# Altium PCB 10-RGB彩灯模块-电路板图.PcbDoc
Units mm, origin at the board's own origin, x right, y up, seen from the top; angles counter-clockwise.
Board outline 70.71 x 35.35 mm, 2 copper layers (Top Layer, Bottom Layer); 22 components, 9 nets, 83 pads, 9 vias.
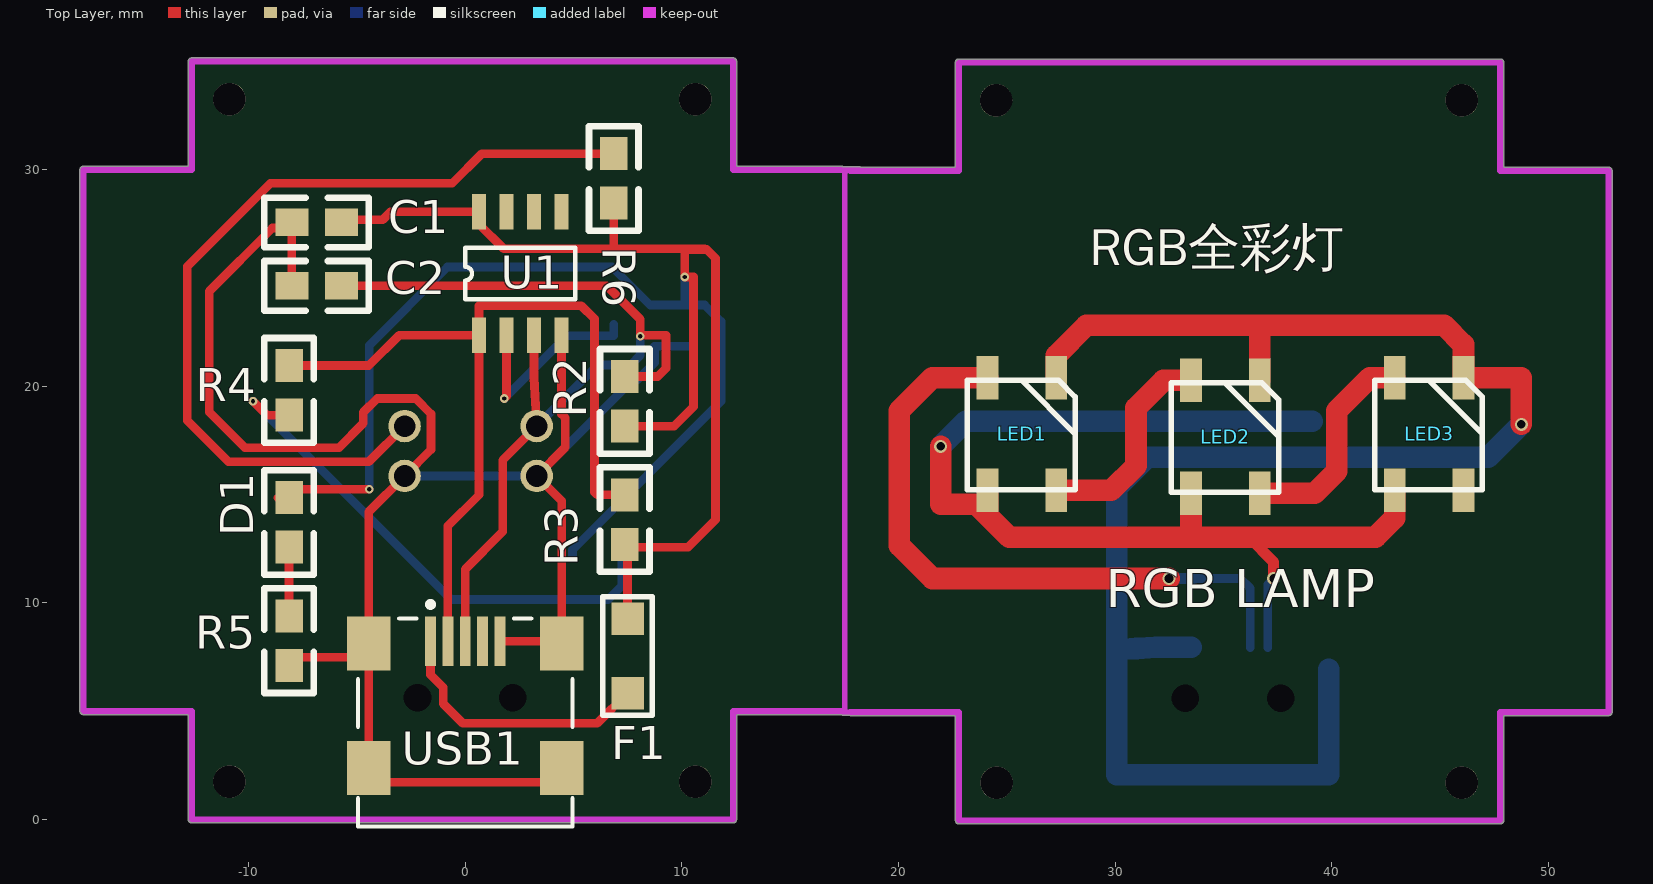
[diagram p0: Top Layer view]
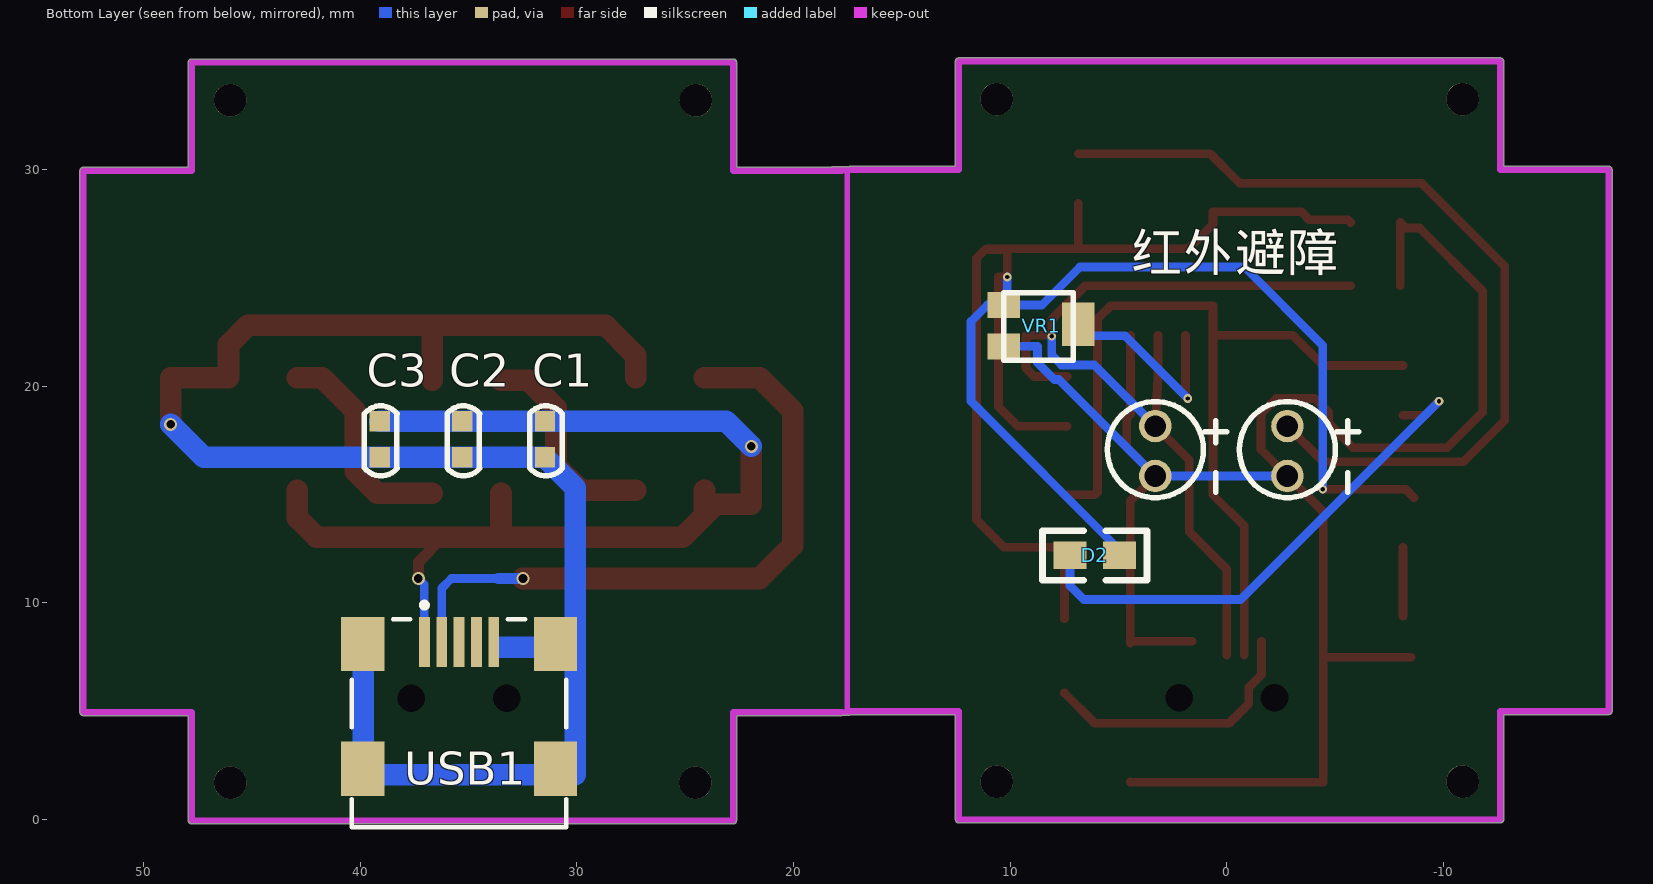
[diagram p1: Bottom Layer view, seen from below]

## Layer stack, top to bottom
Top Layer: signal copper 0.0356
Dielectric: dielectric 0.32, FR-4, Dk 4.8
Bottom Layer: signal copper 0.0356

## Board outline
-12.777,0 ccw(c-12.627,0) -12.627,-0.15 12.373,-0.15 ccw(c12.373,0) 12.523,0 12.523,4.85 17.346,4.85 ccw(c17.42,4.953) 17.42,4.826 17.7,4.826 ccw(c17.78,4.953) 17.78,4.803 22.63,4.803 22.63,-0.047 ccw(c22.78,-0.047) 22.78,-0.197 47.78,-0.197 ccw(c47.78,-0.047) 47.93,-0.047 47.93,4.803 52.78,4.803 ccw(c52.78,4.953) 52.93,4.953 52.93,29.953 ccw(c52.78,29.953) 52.78,30.103 47.93,30.103 47.93,34.953 ccw(c47.78,34.953) 47.78,35.103 22.78,35.103 ccw(c22.78,34.953) 22.63,34.953 22.63,30.103 18.263,30.103 ccw(c18.189,30) 18.189,30.127 17.453,30.127 ccw(c17.373,30) 17.373,30.15 12.523,30.15 12.523,35 ccw(c12.373,35) 12.373,35.15 -12.627,35.15 ccw(c-12.627,35) -12.777,35 -12.777,30.15 -17.627,30.15 ccw(c-17.627,30) -17.777,30 -17.777,5 ccw(c-17.627,5) -17.627,4.85 -12.777,4.85

## Design rules (kind name [scope] priority, off if disabled: settings)
Clearance [All] p1: gap=0.254
PolygonConnect [All] p1: connectstyle=Relief reliefconductorwidth=0.254 reliefentries=4 polygonreliefangle="90 Angle"
RoutingVias [All] p1: holewidth=0.2 width=0.4 viastyle="Through Hole" minholewidth=0.2 minwidth=0.4 maxholewidth=0.2 maxwidth=0.4
SilkscreenOverComponentPads [IsPad] p1: minsilkscreentomaskgap=0.254
SolderMaskExpansion [All] p1: expansion=0.102
TestPointUsage FabricationTestPointUsage [All] p1: valid=0 allowmultiple=FALSE
Testpoint FabricationTestpoint [All] p1: side=3 testpointundercomponent=TRUE minsize=1.016 maxsize=2.54 preferedsize=1.524 minholesize=0 maxholesize=1.016 preferedholesize=0.813 testpointgrid=0.025 style=297 order=0-112345678
Width [All] p1: maxlimit=0.4 minlimit=0.4 preferedwidth=0.4
23 further rules are at their usual default settings.

## Classes and differential pairs
component class 原理图: C1 C2 D1 D2 F1 R2 R3 R4 R5 R6 U1 USB1 VR1 红外避障

## Components (designator, comment, footprint, x,y, rotation, side; value= is the part's Value field where it differs from the comment)
C1 "Cap Semi" 0805 -8.001,27.561 r0 top
C1 "Cap" 0603 31.47,16.717 r180 bottom
C2 "Cap Semi" 0805 -8.001,24.638 r0 top
C2 "Cap" 0603 35.28,16.717 r180 bottom
C3 "Cap" 0603 39.09,16.717 r180 bottom
D1 "LED0" 0805 -8.126,14.859 r270 top
D2 "LED0" 0805 4.953,12.192 r0 bottom
F1 "Fuse 1" Fuse 7.493,9.271 r270 top
LED1 "RGB WS2811" RGB 25.755,18.114 r270 top
LED2 "RGB WS2811" RGB 35.153,17.987 r270 top
LED3 "RGB WS2811" RGB 44.551,18.114 r270 top
R2 "Res2" 0805 7.366,20.447 r270 top
R3 "Res2" 0805 7.368,14.986 r270 top
R4 "Res2" 0805 -8.128,20.955 r270 top
R5 "Res2" 0805 -8.13,7.112 r90 top
R6 "Res2" 0805 6.86,30.734 r270 top
"RED 接收" "light_resistor" LED 3.302,18.161 r270 bottom
U1 "LM393" SOP-8 0.635,22.352 r90 top
USB1 "USB" USB/SM0.8-6H5#1 0.127,4.7 r270 top (schematic designator USB_1)
USB1 "Mini USB" USB/SM0.8-6H5#2 35.307,4.667 r90 bottom (schematic designator H?)
VR1 "Res Tap" VR 9.271,22.86 r180 bottom
红外避障 "LED0" LED -2.794,18.161 r270 bottom (schematic designator "RED 发射")

## Footprints (in the part's own frame and the unit in brackets; to place one, negate y for a bottom-side part, rotate by r counter-clockwise, add the part's x,y. Pads: shape width x height; smd on the part's side, far side on the other; paste and mask are expansions set on the pad)
0603 [mil]
  rect 37x37 smd: 1(0,0) 2(0,65.5)
  silkscreen extent -28,-34 32,94
0805 [mil]
  rect 60x50 smd: 1(0,-0.06) 2(90,-0.06)
  silkscreen extent -50,-45 140,45
Fuse [mm]
  rect 1.5x1.5 smd: 1(0,0) 2(3.429,0)
  silkscreen extent -1.02,-1.14 4.44,1.14
LED [mm]
  round 1.5 hole 1: 1(0,0) 2(2.3,0)
  silkscreen extent -1.13,-2.22 3.3,3.3
RGB [mm]
  rect 2x1 smd: 1(2.921,-1.651) 2(2.921,1.524) 3(-2.286,1.524) 4(-2.286,-1.651)
  silkscreen extent -2.17,-2.57 2.89,2.39
SOP-8 [mil]
  rect 65x25 smd: 1(0,0) 2(0,-50) 3(0,-100) 4(0,-150) 5(224.41,-150) 6(224.41,-100) 7(224.41,-50) 8(224.41,0)
  silkscreen extent 65,-175 159,25
USB/SM0.8-6H5#1 [mm]
  rect 2.3x0.5 smd: 1(-3.532,-1.727) 2(-3.532,-0.927) 3(-3.532,-0.127) 4(-3.532,0.673) 5(-3.532,1.473)
  rect 2.5x2 smd: 6(-3.432,4.323) 7(2.322,4.323) 8(-3.432,-4.577) 9(2.322,-4.577)
  round 0.6 hole 1.27 unplated: MH1(-0.932,2.073) MH2(-0.932,-2.327)
  silkscreen extent -5.36,-5.08 5.02,4.82
USB/SM0.8-6H5#2 [mm]
  rect 2.3x0.5 smd: 1(3.532,1.727) 2(3.532,0.927) 3(3.532,0.127) 4(3.532,-0.673) 5(3.532,-1.473)
  rect 2.5x2 smd: 5(-2.322,-4.323) 5(-2.322,4.577) 5(3.432,-4.323) 5(3.432,4.577)
  round 0.6 hole 1.27 unplated: MH1(0.932,-2.073) MH2(0.932,2.327)
  silkscreen extent -5.02,-4.82 5.36,5.08
VR [mm]
  rect 1.5x1.2 smd: 1(-1.016,0.889) 2(-1.016,-1.016)
  rect 1.5x2 smd: 3(2.413,0)
  silkscreen extent -1.02,-1.65 2.18,1.45

## Part data
C1 C2: "Capacitor (Semiconductor SIM Model)"
C1 C2 C3: "Capacitor"
D1 D2 红外避障: "Typical INFRARED GaAs LED"
F1: "Fuse"
R2 R3 R4 R5 R6: "Resistor"
"RED 接收": library part light
USB1: library part USB5
VR1: "Tapped Resistor"

## Free pads (board coordinates)
  round 1.5 hole 1.5: 0(-10.88,1.75) 0(-10.88,33.25) 0(10.62,1.75) 0(10.62,33.25) 0(24.5,33.2) 0(24.53,1.7) 0(46,1.7) 0(46,33.2)

## Via types
v1: diameter 0.4, hole 0.2, Top Layer to Bottom Layer, 5 vias
v2: diameter 0.6, hole 0.4, Top Layer to Bottom Layer, 4 vias

## Nets (pads, with @x,y where several pads share a name; then routed paths per layer and width w, separated by ;. In a path a pad name is that pad's centre, name@x,y a point inside that pad or via, vN(x,y) a via of type N, cw(c..) or ccw(c..) an arc to the next point about the centre after c; other vN are vias at no path point)
A+: "RED 接收.1" C2.2@-5.715,24.636 R2.1 U1.3 USB1.3@0,8.232 | length 43.2
  Top Layer w0.4: C2.2@-5.715,24.636 6.529,24.636 8.077,23.089 v1(8.077,22.301) 8.128,22.352 9.271,22.352 9.271,20.828 8.89,20.447 R2.1 ; USB1.3@0,7.596 0,8.232 0,11.557 1.727,13.284 1.727,16.586 3.302,18.161 3.175,20.396 U1.3
  Bottom Layer w0.4: 3.302,18.161 6.121,20.98 7.63,20.98 8.077,21.427 v1(8.077,22.301)
GND: "RED 接收.2" C1.1@-8.001,27.559 C2.1@-8.001,24.636 R5.1 U1.4 USB1.5@1.6,8.232 USB1.6 USB1.7 USB1.8 USB1.9 VR1.2 红外避障.2 | length 91.4
  Top Layer w0.4: R5.1@-8.509,7.493 USB1.8@-4.45,7.493 ; C2.1@-8.001,24.636 -8.001,27.559 -8.255,27.305 -8.89,27.305 -11.811,24.384 -11.811,18.815 -10.16,17.164 -5.823,17.164 -4.699,18.288 -4.699,18.796 -4.064,19.431 -2.286,19.431 -1.575,18.72 -1.575,17.08 红外避障.2 -4.45,14.205 USB1.8 USB1.8@-4.45,7.493 ; USB1.5@1.6,8.232 4.35,8.232 USB1.6 4.45,14.713 3.302,15.861 4.623,17.182 4.623,18.542 4.445,18.72 U1.4 ; USB1.7@4.45,1.742 4.45,1.727 -4.45,1.727 USB1.9 USB1.8@-4.45,7.493
  Bottom Layer w0.4: 红外避障.2 3.302,15.861 7.753,20.312 7.968,20.312 8.738,21.082 8.738,21.844 VR1.2
NetC1_2: C1.2@-5.715,27.559 D1.1 D2.1 F1.1 R2.2 R3.2 R6.2 U1.8 VR1.1 | length 97.7
  Top Layer w0.4: D1.1@-8.636,14.859 -8.255,15.24 v1(-4.42,15.24) ; C1.2@-5.715,27.559 -5.59,27.684 -3.81,27.684 -3.442,28.052 U1.8 0.635,27.483 1.778,26.34 6.985,26.34 ; R6.2 6.858,26.467 6.985,26.34 ; R2.2 9.652,18.161 10.541,19.05 10.541,25.044 v1(10.135,25.044) 10.135,26.314 11.151,26.314 11.557,25.908 11.557,13.843 10.287,12.573 7.493,12.573 F1.1 ; 11.049,26.34 6.985,26.34
  Bottom Layer w0.4: v1(-4.42,15.24) -4.42,21.895 -0.813,25.502 6.782,25.502 8.534,23.749 VR1.1@10.135,23.749 ; D2.1 4.953,12.446 11.811,19.304 11.811,22.987 11.049,23.749 VR1.1 VR1.1@10.135,23.749 ; v1(10.135,25.044) VR1.1@10.135,23.749
NetD1_2: D1.2 R5.2 | length 3.2
  Top Layer w0.4: R5.2 D1.2
NetD2_2: D2.2 R4.2 | length 24.4
  Top Layer w0.4: v1(-9.792,19.304) -9.157,18.669 R4.2
  Bottom Layer w0.4: v1(-9.792,19.304) -0.648,10.16 6.604,10.16 7.239,10.795 D2.2
NetR6_1: R6.1 红外避障.1 | length 40.5
  Top Layer w0.4: 红外避障.1 -4.445,16.51 -10.922,16.51 -12.827,18.415 -12.827,25.527 -8.992,29.362 -0.61,29.362 0.762,30.734 R6.1
NetU1_2: U1.2 VR1.3 | length 9.8
  Top Layer w0.4: v1(1.803,19.431) 1.905,19.533 U1.2
  Bottom Layer w0.4: v1(1.803,19.431) 4.699,22.327 6.858,22.327 VR1.3
OUTA: R3.1 R4.1 U1.1 USB1.2@-0.8,8.232 | length 41.1
  Top Layer w0.4: R4.1 -4.445,20.955 -3.048,22.352 U1.1 ; USB1.2@-0.8,7.596 -0.8,8.232 -0.8,13.551 0.635,14.986 U1.1 ; R3.1 6.096,14.986 5.969,15.113 5.969,23.114 5.362,23.721 0.635,23.721 U1.1
VCC: F1.2 USB1.1@-1.6,8.232 | length 12.6
  Top Layer w0.4: USB1.1@-1.6,8.232 -1.6,6.68 -1.016,6.096 -1.016,5.352 -0.109,4.445 6.096,4.445 F1.2
pads on no net: C1.1@31.47,16.717 C1.2@31.47,18.381 C2.1@35.28,16.717 C2.2@35.28,18.381 C3.1 C3.2 LED1.1 LED1.2 LED1.3 LED1.4 LED2.1 LED2.2 LED2.3 LED2.4 LED3.1 LED3.2 LED3.3 LED3.4 U1.5 U1.6 U1.7 USB1.1@37.034,8.199 USB1.2@36.234,8.199 USB1.3@35.434,8.199 USB1.4 USB1.5@30.984,2.345 USB1.5@30.984,8.099 USB1.5@33.834,8.199 USB1.5@39.884,2.345 USB1.5@39.884,8.099 USB1.MH1 USB1.MH2
copper on no net: | length 184.7
  Top Layer w0.5: 36.169,13.034 37.312,11.891 v2(37.312,11.129)
  Top Layer w1: v2(21.945,17.225) 21.945,14.558 23.596,14.558 24.104,14.05 ; 24.104,15.193 24.104,14.05 ; 24.104,20.4 21.564,20.4 20.04,18.876 20.04,12.653 21.564,11.129 v2(32.486,11.129) ; 27.279,15.193 29.819,15.193 30.962,16.336 30.962,19.003 32.232,20.273 33.502,20.273 ; 27.279,20.4 27.279,21.416 28.676,22.813 36.677,22.813 ; 33.502,15.066 33.502,13.034 ; 36.677,15.066 39.217,15.066 40.233,16.082 40.233,18.876 41.757,20.4 42.9,20.4 ; 36.677,20.273 36.677,22.813 ; 42.9,15.193 42.9,13.923 42.011,13.034 36.169,13.034 33.502,13.034 ; v2(48.742,18.241) 48.742,20.4 46.075,20.4 46.075,21.924 45.186,22.813 36.677,22.813 ; 24.104,14.05 25.12,13.034 33.502,13.034
  Bottom Layer w0.4: 32.918,7.93 32.818,7.83 33.502,7.957 ; 33.629,11.129 35.788,11.129 36.234,10.683 36.234,8.199 36.234,7.93 ; 37.034,7.93 37.034,8.199 37.034,10.851 v2(37.312,11.129)
  Bottom Layer w0.5: v2(32.486,11.129) 33.629,11.129
  Bottom Layer w1: v2(21.945,17.225) 23.101,18.381 31.47,18.381 35.28,18.381 39.09,18.381 ; 33.502,7.957 31.873,7.957 30.998,7.895 30.98,7.894 30.068,7.83 ; 39.852,6.946 39.852,2.076 30.068,2.076 30.068,7.83 ; v2(48.742,18.241) 47.218,16.717 39.09,16.717 35.28,16.717 31.47,16.717 30.068,15.315 30.068,7.83

## Keep-outs
Keep-Out Layer:
  lines w0.254: 17.373,30 18.189,30 ; 17.42,4.953 18.161,4.953 ; 17.526,4.953 17.526,29.873 17.653,30
  lines w0.3: -12.093,0 11.783,0 ; 17.373,5 12.373,5 12.373,0 -12.627,0 -12.627,5 -17.627,5 -17.627,30 -12.627,30 -12.627,35 12.373,35 12.373,30 17.373,30 ; 17.78,4.953 22.78,4.953 22.78,-0.047 47.78,-0.047 47.78,4.953 52.78,4.953 52.78,29.953 47.78,29.953 47.78,34.953 22.78,34.953 22.78,29.953 17.78,29.953 ; 23.314,-0.047 47.19,-0.047

## Silkscreen, mask and mechanical layers (free items; w line width, h text height)
Top Overlay:
  text "RGB全彩灯" at 28.829,25.019 h3
  text "RGB LAMP" at 29.565,9.224 h3